# KiCad board panel.kicad_pcb
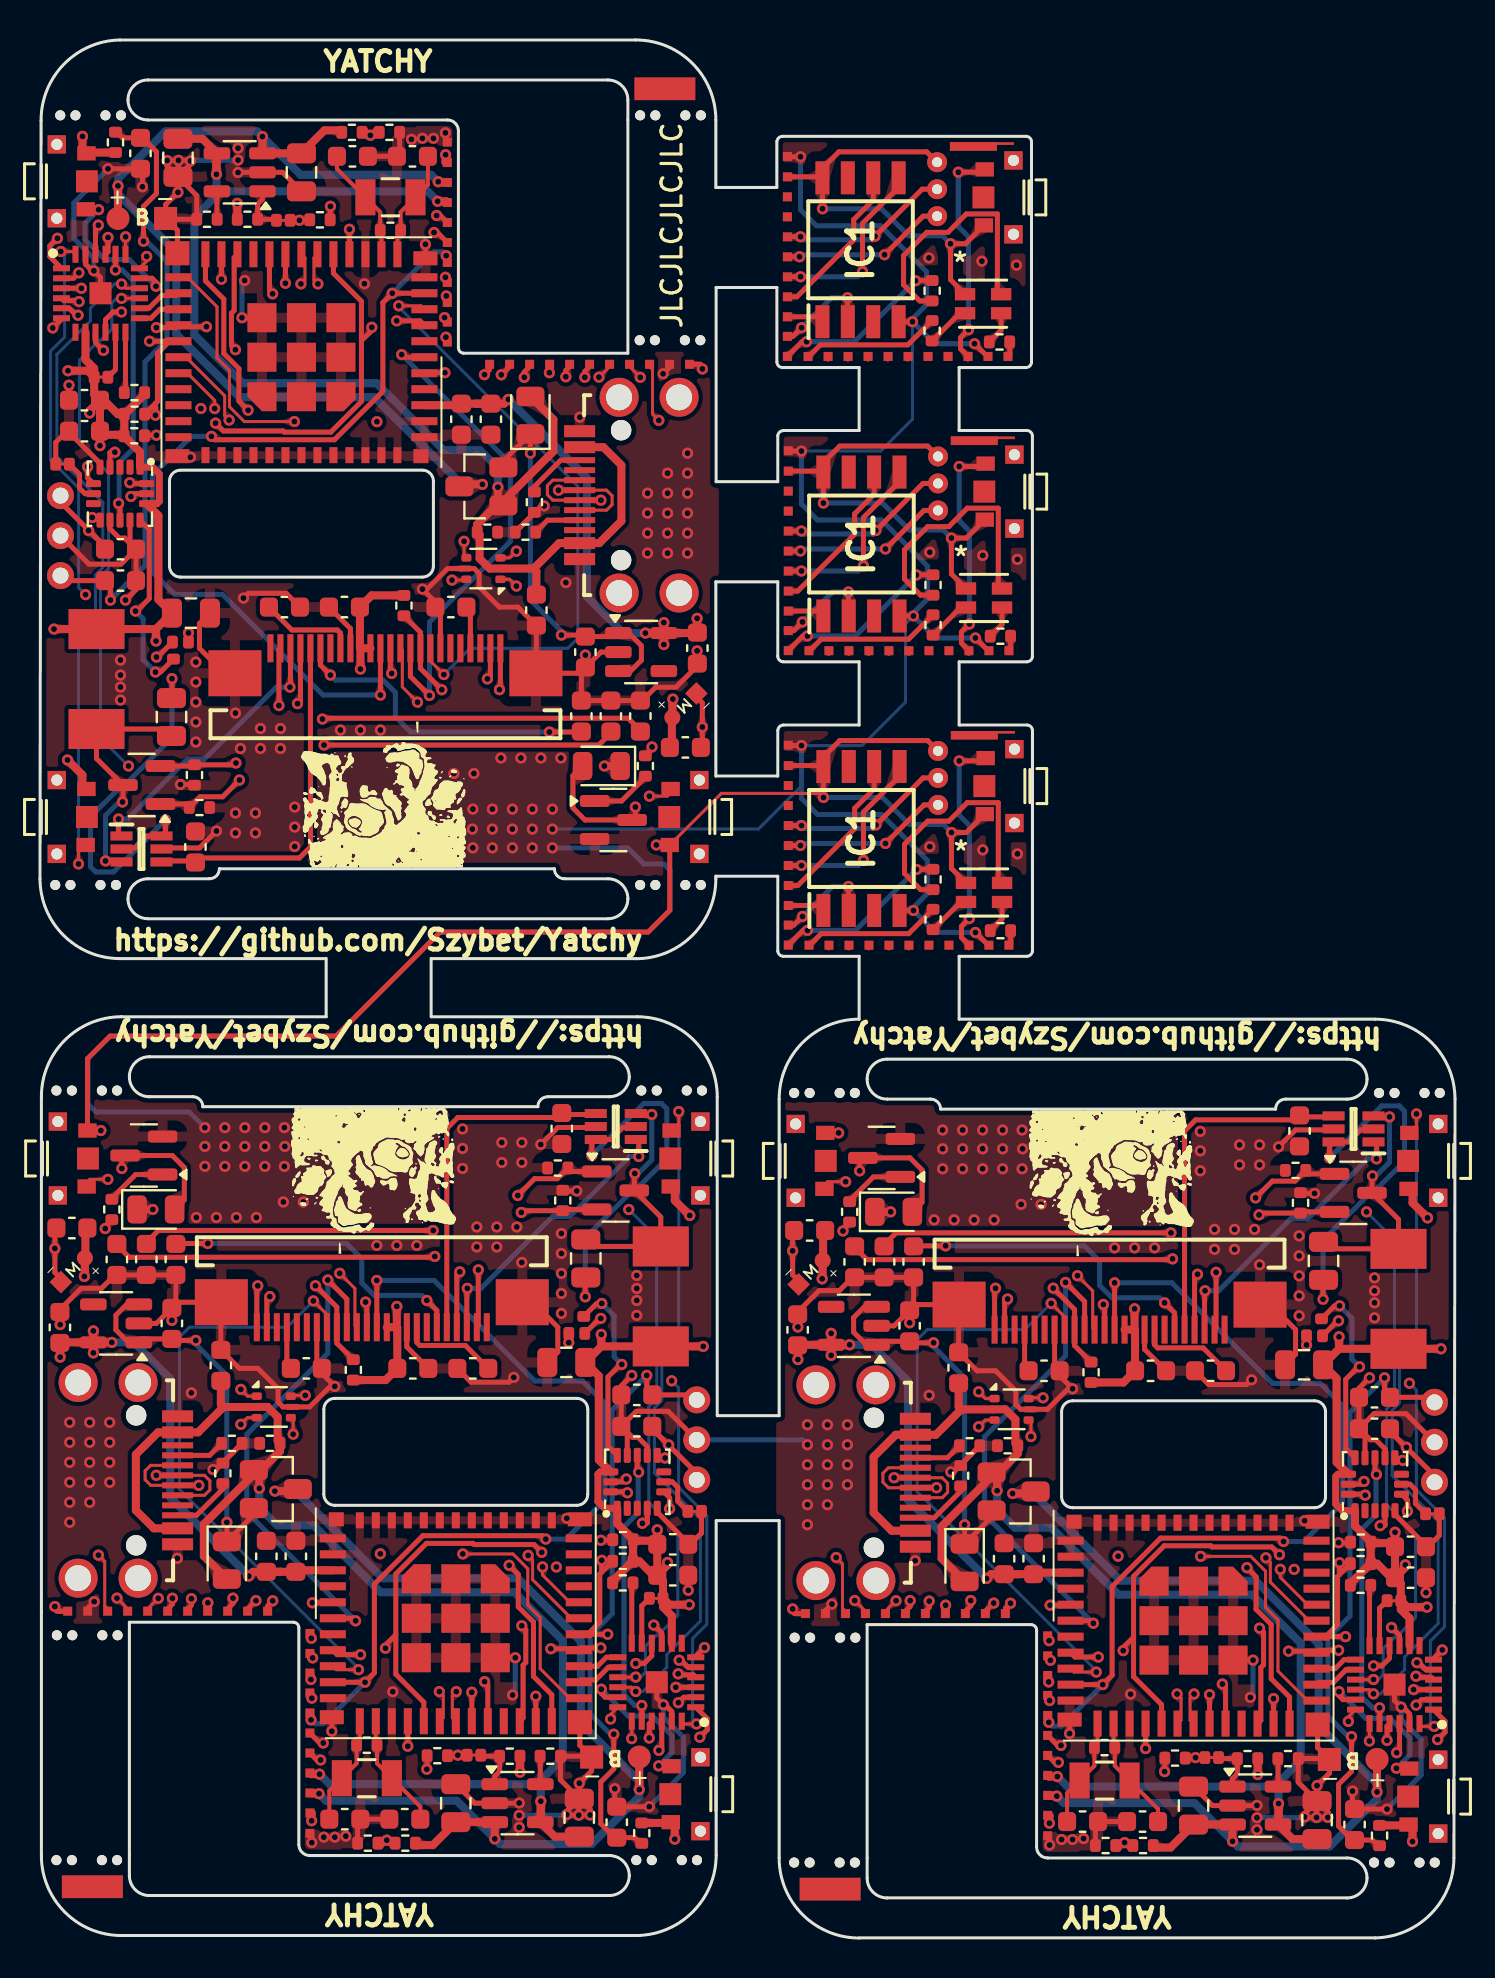
[diagram p0: board, top side]
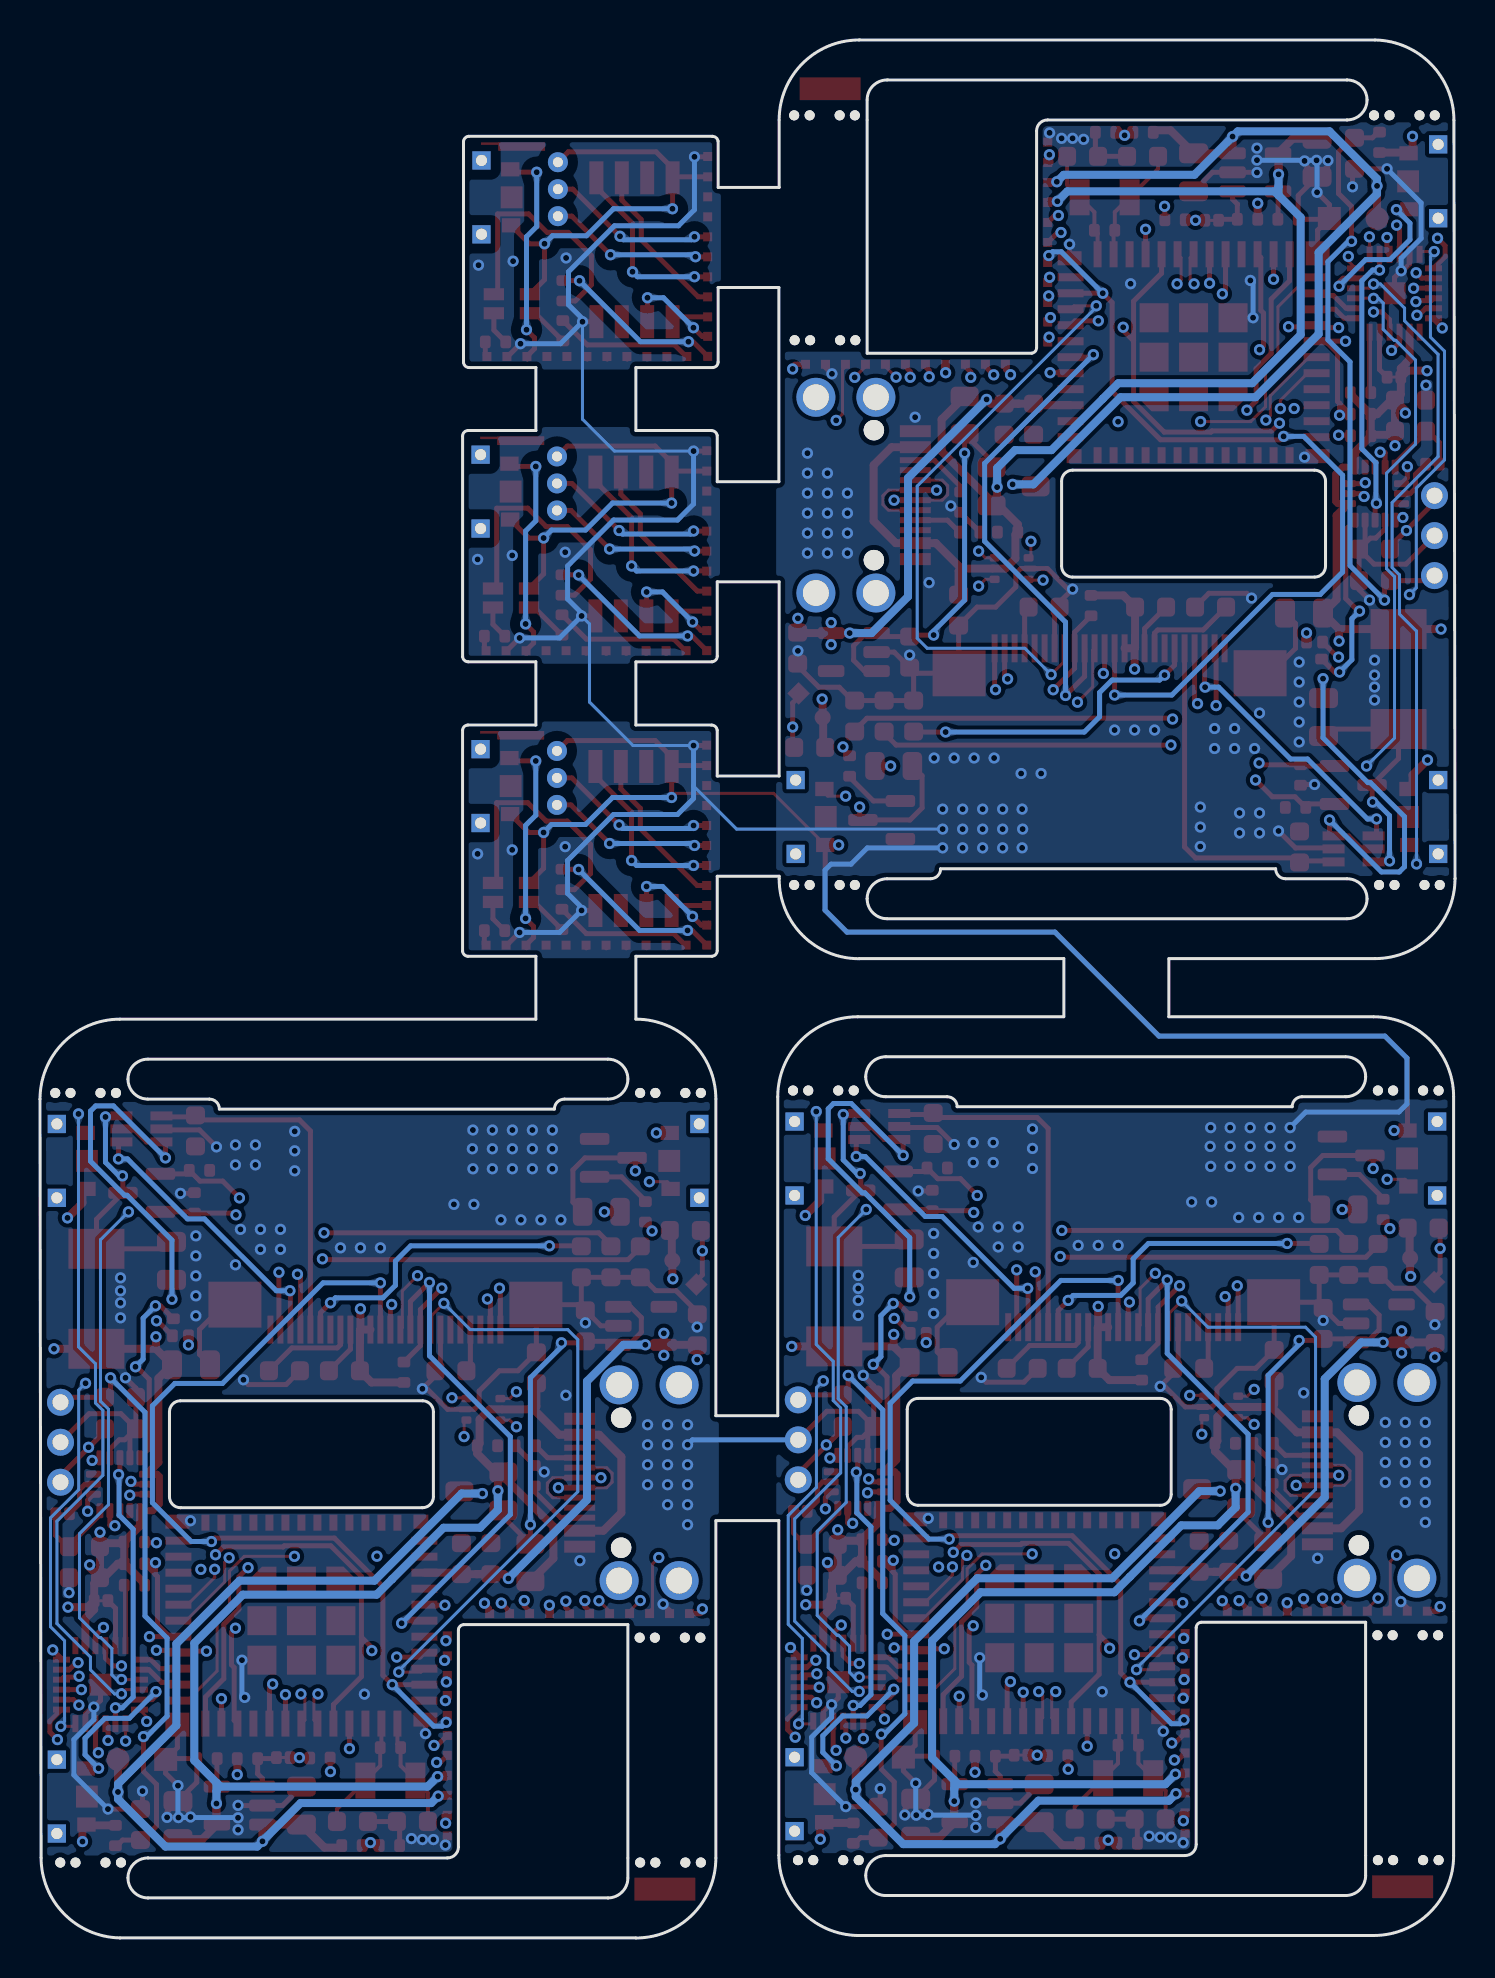
[diagram p1: board, bottom side, seen from below]

Outline 70.77 x 94.95 mm; copper layers: Top, In1.Cu, In2.Cu, Bottom. Coordinates in mm from the lower left corner of the outline.
Outline path: 4,49 arc(1.17,50.17) 0,53 0.05,90.94 arc(1.21,93.75) 4,94.95 29.8,94.95 arc(32.63,93.78) 33.8,90.95 33.8,87.57 36.85,87.57 36.85,89.88 ; 4.01,48.99 14.31,48.99 ; 14.32,46.09 4.07,46.09 arc(1.24,44.91) 0.07,42.09 0.07,4.13 arc(1.24,1.3) 4.07,0.13 29.87,0.13 arc(32.66,1.33) 33.82,4.14 33.82,20.88 36.97,20.88 36.97,4.01 arc(38.13,1.17) 40.97,0 ; 14.31,46.09 14.31,48.99 ; 19.56,46.09 19.56,48.99 ; 19.57,49 29.8,49 ; 19.57,46.09 29.87,46.09 arc(32.7,44.91) 33.87,42.08 33.87,26.13 ; 36.9,58.13 33.8,58.13 33.8,67.84 36.9,67.84 36.9,64.12 ; 29.8,48.99 arc(32.63,50.16) 33.8,52.99 33.8,53.12 36.9,53.12 36.9,49.39 ; 36.85,82.57 33.81,82.57 33.81,72.85 36.9,72.85 36.9,75.16 ; 33.87,26.13 36.97,26.13 36.97,41.97 arc(38.14,44.79) 40.97,45.97 40.96,49.11 37.15,49.11 ; 36.85,78.84 36.85,82.57 ; 36.86,89.88 arc(36.95,90.06) 37.13,90.13 ; 36.9,58.13 36.9,60.43 ; 36.9,75.16 arc(36.99,75.34) 37.18,75.41 ; 36.9,60.43 arc(36.99,60.6) 37.18,60.68 ; 37.1,78.56 40.96,78.56 ; 37.1,78.57 arc(36.93,78.66) 36.85,78.84 ; 37.14,90.13 49.33,90.13 ; 37.15,63.84 40.96,63.84 40.96,60.68 ; 37.15,63.85 arc(36.97,63.94) 36.9,64.12 ; 37.15,49.12 arc(36.97,49.2) 36.9,49.39 ; 37.18,75.41 40.96,75.41 40.96,78.56 ; 37.18,60.68 40.96,60.68 ; 40.97,0.01 66.77,0.01 arc(69.56,1.21) 70.71,4.02 70.77,41.96 arc(69.6,44.79) 66.77,45.97 45.97,45.97 45.97,49.11 49.35,49.11 ; 45.97,78.56 49.31,78.56 ; 45.97,78.56 45.97,75.41 49.37,75.41 ; 45.97,63.84 45.97,60.68 49.37,60.68 ; 45.97,63.84 49.35,63.84 ; 49.33,90.13 arc(49.51,90.04) 49.59,89.86 49.59,78.81 ; 49.38,75.41 arc(49.56,75.32) 49.63,75.14 49.63,64.09 ; 49.38,60.68 arc(49.56,60.59) 49.63,60.4 49.63,49.35 ; 49.58,78.81 arc(49.5,78.64) 49.31,78.56 ; 49.63,64.09 arc(49.54,63.92) 49.35,63.84 ; 49.63,49.36 arc(49.54,49.18) 49.36,49.11 ; 4.4,91.95 arc(4.69,92.66) 5.4,92.95 28.4,92.95 arc(29.11,92.66) 29.4,91.95 29.4,79.28 21.18,79.28 arc(21,79.37) 20.93,79.55 20.92,90.4 arc(20.76,90.79) 20.37,90.95 5.4,90.95 arc(4.69,91.24) 4.4,91.95 ; 4.4,51.99 arc(4.69,52.7) 5.4,52.99 8.47,52.99 arc(8.83,53.14) 8.97,53.49 25.72,53.49 arc(25.87,53.14) 26.22,52.99 28.4,52.99 arc(29.11,52.7) 29.4,51.99 arc(29.11,51.28) 28.4,50.99 5.4,50.99 arc(4.69,51.28) 4.4,51.99 ; 4.47,43.09 arc(4.76,43.79) 5.47,44.09 28.47,44.09 arc(29.18,43.79) 29.47,43.09 arc(29.18,42.38) 28.47,42.09 25.4,42.09 arc(25.04,41.94) 24.9,41.59 8.14,41.59 arc(8,41.94) 7.64,42.09 5.47,42.09 arc(4.76,42.38) 4.47,43.09 ; 4.47,15.8 12.69,15.8 arc(12.87,15.71) 12.94,15.52 12.94,4.68 arc(13.11,4.29) 13.49,4.13 28.47,4.13 arc(29.18,3.83) 29.47,3.13 arc(29.18,2.42) 28.47,2.13 5.47,2.13 arc(4.76,2.42) 4.47,3.13 4.47,15.8 ; 6.47,72.88 arc(6.64,73.27) 7.02,73.43 19.12,73.43 arc(19.51,73.27) 19.67,72.88 19.67,68.63 arc(19.51,68.24) 19.12,68.08 7.02,68.08 arc(6.64,68.24) 6.47,68.63 6.47,72.88 ; 14.19,26.45 arc(14.36,26.83) 14.74,27 26.84,27 arc(27.23,26.83) 27.39,26.45 27.39,22.2 arc(27.23,21.81) 26.84,21.65 14.74,21.65 arc(14.36,21.81) 14.19,22.2 14.19,26.45 ; 41.37,42.97 arc(41.66,43.67) 42.37,43.97 65.37,43.97 arc(66.07,43.67) 66.37,42.97 arc(66.07,42.26) 65.37,41.97 62.29,41.97 arc(61.94,41.82) 61.79,41.47 45.04,41.47 arc(44.89,41.82) 44.54,41.97 42.37,41.97 arc(41.66,42.26) 41.37,42.97 ; 41.37,15.68 49.59,15.68 arc(49.77,15.59) 49.84,15.4 49.84,4.56 arc(50,4.17) 50.39,4.01 65.37,4.01 arc(66.07,3.71) 66.37,3.01 arc(66.07,2.3) 65.37,2.01 42.37,2.01 arc(41.66,2.3) 41.37,3.01 41.37,15.68 ; 51.09,26.33 arc(51.25,26.71) 51.64,26.88 63.74,26.88 arc(64.13,26.71) 64.29,26.33 64.29,22.08 arc(64.13,21.69) 63.74,21.53 51.64,21.53 arc(51.25,21.69) 51.09,22.08 51.09,26.33
Stack: Top 0.035mm / dielectric 0.1mm FR4 er 4.5 / In1.Cu 0.035mm / dielectric 1.24mm FR4 er 4.5 / In2.Cu 0.035mm / dielectric 0.1mm FR4 er 4.5 / Bottom 0.035mm

## Placement (name value [footprint] x y rotation side)
AC1  LIS3DHTR  [LGA-16_3x3mm_P0.5mm_LayoutBorder3x5y_handsolder]  29.87 22.82 90 top
AC1#2  LIS3DHTR  [LGA-16_3x3mm_P0.5mm_LayoutBorder3x5y_handsolder]  4 72.25 270 top
AC1#3  LIS3DHTR  [LGA-16_3x3mm_P0.5mm_LayoutBorder3x5y_handsolder]  66.77 22.7 90 top
BT1  Battery_Cell  [Battery_Header]  65.82 9 180 top
BT1#2  Battery_Cell  [Battery_Header]  4.95 85.95 0 top
BT1#3  Battery_Cell  [Battery_Header]  28.92 9.12 180 top
C1  0.1uF  [C_0603_1608Metric]  66.74 25.48 180 top
C1#2  0.1uF  [C_0603_1608Metric]  4.02 69.48 0 top
C1#3  0.1uF  [C_0603_1608Metric]  29.84 25.6 180 top
C2  1uF/50V  [C_0603_1608Metric]  20.55 66.58 180 top
C2#2  1uF/50V  [C_0603_1608Metric]  50.22 28.38 0 top
C2#3  1uF/50V  [C_0603_1608Metric]  13.32 28.5 0 top
C3  4.7uF/50V  [C_0805_2012Metric]  27.29 34 90 top
C3#2  4.7uF/50V  [C_0805_2012Metric]  6.57 61.08 270 top
C3#3  4.7uF/50V  [C_0805_2012Metric]  64.19 33.88 90 top
C4  4.7uF/50V  [C_0805_2012Metric]  63.22 28.68 180 top
C4#2  4.7uF/50V  [C_0805_2012Metric]  7.55 66.28 0 top
C4#3  4.7uF/50V  [C_0805_2012Metric]  26.32 28.8 180 top
C5  1uF/50V  [C_0603_1608Metric]  7.77 54.58 90 top
C5#2  1uF/50V  [C_0603_1608Metric]  26.09 40.5 270 top
C5#3  1uF/50V  [C_0603_1608Metric]  62.99 40.38 270 top
C6  1uF/50V  [C_0603_1608Metric]  21.64 28.5 180 top
C6#2  1uF/50V  [C_0603_1608Metric]  12.22 66.58 0 top
C6#3  1uF/50V  [C_0603_1608Metric]  58.54 28.38 180 top
C7  1uF/50V  [C_0603_1608Metric]  55.54 28.38 180 top
C7#2  1uF/50V  [C_0603_1608Metric]  15.22 66.58 0 top
C7#3  1uF/50V  [C_0603_1608Metric]  18.64 28.5 180 top
C8  1uF/50V  [C_0603_1608Metric]  6.79 33.95 270 top
C8#2  1uF/50V  [C_0603_1608Metric]  27.07 61.13 90 top
C8#3  1uF/50V  [C_0603_1608Metric]  43.69 33.83 270 top
C9  1uF/50V  [C_0603_1608Metric]  28.55 61.13 90 top
C9#2  1uF/50V  [C_0603_1608Metric]  42.22 33.83 270 top
C9#3  1uF/50V  [C_0603_1608Metric]  5.32 33.95 270 top
C10  1uF/50V  [C_0603_1608Metric]  30.02 61.13 90 top
C10#2  1uF/50V  [C_0603_1608Metric]  40.74 33.83 270 top
C10#3  1uF/50V  [C_0603_1608Metric]  3.84 33.95 270 top
C12  1uF  [C_0603_1608Metric]  37.89 30.43 90 top
C12#2  1uF  [C_0603_1608Metric]  32.87 64.53 270 top
C12#3  1uF  [C_0603_1608Metric]  0.99 30.55 90 top
C13  1uF  [C_0603_1608Metric]  5.02 89.28 270 top
C13#2  1uF  [C_0603_1608Metric]  65.74 5.68 90 top
C13#3  1uF  [C_0603_1608Metric]  28.84 5.8 90 top
C14  0.1uF  [C_0603_1608Metric]  38.49 35.4 180 top
C14#2  0.1uF  [C_0603_1608Metric]  1.59 35.52 180 top
C14#3  0.1uF  [C_0603_1608Metric]  32.27 59.56 0 top
C18  0.1uF  [C_0603_1608Metric]  66.74 27.05 0 top
C18#2  0.1uF  [C_0603_1608Metric]  29.84 27.17 0 top
C18#3  0.1uF  [C_0603_1608Metric]  4.02 67.9 180 top
C19  19pF  [C_0603_1608Metric]  55.14 5.83 180 top
C19#2  19pF  [C_0603_1608Metric]  15.62 89.13 0 top
C19#3  19pF  [C_0603_1608Metric]  18.24 5.95 180 top
C20  19pF  [C_0603_1608Metric]  52.14 5.83 0 top
C20#2  19pF  [C_0603_1608Metric]  15.24 5.95 0 top
C20#3  19pF  [C_0603_1608Metric]  18.62 89.13 180 top
C21  0.1uF  [C_0603_1608Metric]  9.04 28.65 90 top
C21#2  0.1uF  [C_0603_1608Metric]  45.94 28.53 90 top
C21#3  0.1uF  [C_0603_1608Metric]  24.82 66.43 270 top
C22  1uF  [C_0603_1608Metric]  27.27 64.33 270 top
C22#2  1uF  [C_0603_1608Metric]  43.49 30.63 90 top
C22#3  1uF  [C_0603_1608Metric]  6.59 30.75 90 top
C23  0.1uF  [C_0603_1608Metric]  11.32 19.1 90 top
C23#2  0.1uF  [C_0603_1608Metric]  48.22 18.98 90 top
C23#3  0.1uF  [C_0603_1608Metric]  22.55 75.98 270 top
C24  10uF  [C_0603_1608Metric]  49.69 18.98 90 top
C24#2  10uF  [C_0603_1608Metric]  21.07 75.98 270 top
C24#3  10uF  [C_0603_1608Metric]  12.79 19.1 90 top
C25  4.7uF  [C_0805_2012Metric]  6.9 89.05 270 top
C25#2  4.7uF  [C_0805_2012Metric]  26.97 6.02 90 top
C25#3  4.7uF  [C_0805_2012Metric]  63.87 5.9 90 top
C26  4.7uF  [C_0805_2012Metric]  20.79 6.75 270 top
C26#2  4.7uF  [C_0805_2012Metric]  57.69 6.63 270 top
C26#3  4.7uF  [C_0805_2012Metric]  13.07 88.33 90 top
C29  0.1uF  [C_0603_1608Metric]  2.22 76.93 0 top
C29#2  0.1uF  [C_0603_1608Metric]  31.64 18.15 180 top
C29#3  0.1uF  [C_0603_1608Metric]  68.54 18.03 180 top
C30  10uF  [C_0603_1608Metric]  68.54 19.58 180 top
C30#2  10uF  [C_0603_1608Metric]  31.64 19.7 180 top
C30#3  10uF  [C_0603_1608Metric]  2.22 75.38 0 top
D4  SD0805S040S0R5  [D_0805_2012Metric]  9.34 18.9 270 top
D4#2  SD0805S040S0R5  [D_0805_2012Metric]  46.24 18.78 270 top
D4#3  SD0805S040S0R5  [D_0805_2012Metric]  24.52 76.18 90 top
D5  BAT54TW-7-F  [SOT65P222X110-6N]  65.69 40.48 180 top
D5#2  BAT54TW-7-F  [SOT65P222X110-6N]  28.79 40.6 180 top
D5#3  BAT54TW-7-F  [SOT65P222X110-6N]  5.07 54.48 0 top
D6  SD0805S040S0R5  [D_0805_2012Metric]  28.07 58.63 180 top
D6#2  SD0805S040S0R5  [D_0805_2012Metric]  42.69 36.33 0 top
D6#3  SD0805S040S0R5  [D_0805_2012Metric]  5.79 36.45 0 top
IC1  MX25R6435FM2IH0  [SOIC127P790X216-8N]  41.04 84.46 90 top
IC1#2  MX25R6435FM2IH0  [SOIC127P790X216-8N]  41.08 55 90 top
IC1#3  MX25R6435FM2IH0  [SOIC127P790X216-8N]  41.08 69.74 90 top
IC2  MCP23018-E_MJ  [QFN50P400X400X90-25N-D]  3.02 82.28 0 top
IC2#2  MCP23018-E_MJ  [QFN50P400X400X90-25N-D]  67.74 12.68 180 top
IC2#3  MCP23018-E_MJ  [QFN50P400X400X90-25N-D]  30.84 12.8 180 top
IC3  MCP73831T-2ATI_OT  [SOT-23-5]  60.78 6.63 0 top
IC3#2  MCP73831T-2ATI_OT  [SOT-23-5]  9.99 88.33 180 top
IC3#3  MCP73831T-2ATI_OT  [SOT-23-5]  23.88 6.75 0 top
J1  MOD_CONN  [mod_Connector]  20.37 89.83 180 top
J1#2  MOD_CONN  [mod_Connector]  37.42 74.39 180 top
J1#3  MOD_CONN  [mod_Connector]  37.38 89.11 180 top
J1#4  MOD_CONN  [mod_Connector]  13.5 5.25 0 top
J1#5  MOD_CONN  [mod_Connector]  50.4 5.13 0 top
J1#6  MOD_CONN  [mod_Connector]  37.42 59.66 180 top
J2  MOD_CONN  [mod_Connector]  31.47 78.72 90 top
J2#2  MOD_CONN  [mod_Connector]  47.45 64.4 90 top
J2#3  MOD_CONN  [mod_Connector]  39.29 16.23 270 top
J2#4  MOD_CONN  [mod_Connector]  2.39 16.35 270 top
J2#5  MOD_CONN  [mod_Connector]  47.4 79.12 90 top
J2#6  MOD_CONN  [mod_Connector]  47.45 49.67 90 top
J4  USB4730-GF-A-KIT  [USB4730GFAKIT]  2.84 22.9 270 top
J4#2  USB4730-GF-A-KIT  [USB4730GFAKIT]  39.74 22.78 270 top
J4#3  USB4730-GF-A-KIT  [USB4730GFAKIT]  31.02 72.18 90 top
J5  SFV24R-4STBE1HLF  [SFV24R4STBE1HLF]  16.59 32.81 180 top
J5#2  SFV24R-4STBE1HLF  [SFV24R4STBE1HLF]  17.27 62.27 0 top
J5#3  SFV24R-4STBE1HLF  [SFV24R4STBE1HLF]  53.49 32.69 180 top
J6  MOD_CONN  [mod_Connector]  37.42 72.39 0 top
J6#2  MOD_CONN  [mod_Connector]  50.4 7.13 180 top
J6#3  MOD_CONN  [mod_Connector]  37.42 57.66 0 top
J6#4  MOD_CONN  [mod_Connector]  20.37 87.83 0 top
J6#5  MOD_CONN  [mod_Connector]  37.38 87.11 0 top
J6#6  MOD_CONN  [mod_Connector]  13.5 7.25 180 top
J7  MOD_CONN  [mod_Connector]  37.38 88.11 0 top
J7#2  MOD_CONN  [mod_Connector]  37.42 58.66 0 top
J7#3  MOD_CONN  [mod_Connector]  20.37 88.83 0 top
J7#4  MOD_CONN  [mod_Connector]  50.4 6.13 180 top
J7#5  MOD_CONN  [mod_Connector]  37.42 73.39 0 top
J7#6  MOD_CONN  [mod_Connector]  13.5 6.25 180 top
J8  MOD_CONN  [mod_Connector]  37.38 86.11 0 top
J8#2  MOD_CONN  [mod_Connector]  37.42 71.39 0 top
J8#3  MOD_CONN  [mod_Connector]  13.5 8.25 180 top
J8#4  MOD_CONN  [mod_Connector]  37.42 56.66 0 top
J8#5  MOD_CONN  [mod_Connector]  20.37 86.83 0 top
J8#6  MOD_CONN  [mod_Connector]  50.4 8.13 180 top
J9  MOD_CONN  [mod_Connector]  20.37 85.83 0 top
J9#2  MOD_CONN  [mod_Connector]  50.4 9.13 180 top
J9#3  MOD_CONN  [mod_Connector]  37.38 85.11 0 top
J9#4  MOD_CONN  [mod_Connector]  37.42 70.39 0 top
J9#5  MOD_CONN  [mod_Connector]  37.42 55.66 0 top
J9#6  MOD_CONN  [mod_Connector]  13.5 9.25 180 top
J10  MOD_CONN  [mod_Connector]  50.4 10.13 180 top
J10#2  MOD_CONN  [mod_Connector]  37.42 69.39 0 top
J10#3  MOD_CONN  [mod_Connector]  13.5 10.25 180 top
J10#4  MOD_CONN  [mod_Connector]  20.37 84.83 0 top
J10#5  MOD_CONN  [mod_Connector]  37.42 54.66 0 top
J10#6  MOD_CONN  [mod_Connector]  37.38 84.11 0 top
J11  MOD_CONN  [mod_Connector]  37.42 66.39 0 top
J11#2  MOD_CONN  [mod_Connector]  20.37 81.83 0 top
J11#3  MOD_CONN  [mod_Connector]  13.5 13.25 180 top
J11#4  MOD_CONN  [mod_Connector]  37.38 81.11 0 top
J11#5  MOD_CONN  [mod_Connector]  50.4 13.13 180 top
J11#6  MOD_CONN  [mod_Connector]  37.42 51.66 0 top
J12  MOD_CONN  [mod_Connector]  37.42 67.39 0 top
J12#2  MOD_CONN  [mod_Connector]  13.5 12.25 180 top
J12#3  MOD_CONN  [mod_Connector]  50.4 12.13 180 top
J12#4  MOD_CONN  [mod_Connector]  37.42 52.66 0 top
J12#5  MOD_CONN  [mod_Connector]  37.38 82.11 0 top
J12#6  MOD_CONN  [mod_Connector]  20.37 82.83 0 top
J13  MOD_CONN  [mod_Connector]  37.38 83.11 0 top
J13#2  MOD_CONN  [mod_Connector]  20.37 83.83 0 top
J13#3  MOD_CONN  [mod_Connector]  50.4 11.13 180 top
J13#4  MOD_CONN  [mod_Connector]  37.42 68.39 0 top
J13#5  MOD_CONN  [mod_Connector]  13.5 11.25 180 top
J13#6  MOD_CONN  [mod_Connector]  37.42 53.66 0 top
J14  MOD_CONN  [mod_Connector]  13.5 14.25 0 top
J14#2  MOD_CONN  [mod_Connector]  50.4 14.13 0 top
J14#3  MOD_CONN  [mod_Connector]  37.38 80.11 180 top
J14#4  MOD_CONN  [mod_Connector]  37.42 50.66 180 top
J14#5  MOD_CONN  [mod_Connector]  37.42 65.39 180 top
J14#6  MOD_CONN  [mod_Connector]  20.37 80.83 180 top
J15  MOD_CONN  [mod_Connector]  43.45 49.67 90 top
J15#2  MOD_CONN  [mod_Connector]  43.29 16.23 270 top
J15#3  MOD_CONN  [mod_Connector]  6.39 16.35 270 top
J15#4  MOD_CONN  [mod_Connector]  27.47 78.72 90 top
J15#5  MOD_CONN  [mod_Connector]  43.4 79.12 90 top
J15#6  MOD_CONN  [mod_Connector]  43.45 64.4 90 top
J16  MOD_CONN  [mod_Connector]  41.4 79.12 90 top
J16#2  MOD_CONN  [mod_Connector]  45.29 16.23 270 top
J16#3  MOD_CONN  [mod_Connector]  25.47 78.72 90 top
J16#4  MOD_CONN  [mod_Connector]  41.45 49.67 90 top
J16#5  MOD_CONN  [mod_Connector]  41.45 64.4 90 top
J16#6  MOD_CONN  [mod_Connector]  8.39 16.35 270 top
J17  MOD_CONN  [mod_Connector]  42.4 79.12 90 top
J17#2  MOD_CONN  [mod_Connector]  42.45 64.4 90 top
J17#3  MOD_CONN  [mod_Connector]  44.29 16.23 270 top
J17#4  MOD_CONN  [mod_Connector]  7.39 16.35 270 top
J17#5  MOD_CONN  [mod_Connector]  26.47 78.72 90 top
J17#6  MOD_CONN  [mod_Connector]  42.45 49.67 90 top
J18  MOD_CONN  [mod_Connector]  5.39 16.35 270 top
J18#2  MOD_CONN  [mod_Connector]  44.4 79.12 90 top
J18#3  MOD_CONN  [mod_Connector]  28.47 78.72 90 top
J18#4  MOD_CONN  [mod_Connector]  44.45 64.4 90 top
J18#5  MOD_CONN  [mod_Connector]  44.45 49.67 90 top
J18#6  MOD_CONN  [mod_Connector]  42.29 16.23 270 top
J19  MOD_CONN  [mod_Connector]  45.45 64.4 90 top
J19#2  MOD_CONN  [mod_Connector]  29.47 78.72 90 top
J19#3  MOD_CONN  [mod_Connector]  4.39 16.35 270 top
J19#4  MOD_CONN  [mod_Connector]  41.29 16.23 270 top
J19#5  MOD_CONN  [mod_Connector]  45.4 79.12 90 top
J19#6  MOD_CONN  [mod_Connector]  45.45 49.67 90 top
J20  MOD_CONN  [mod_Connector]  37.38 79.11 180 top
J20#2  MOD_CONN  [mod_Connector]  37.42 64.39 180 top
J20#3  MOD_CONN  [mod_Connector]  37.42 49.66 180 top
J20#4  MOD_CONN  [mod_Connector]  20.37 79.83 180 top
J20#5  MOD_CONN  [mod_Connector]  13.5 15.25 0 top
J20#6  MOD_CONN  [mod_Connector]  50.4 15.13 0 top
J21  MOD_CONN  [mod_Connector]  48.42 79.12 270 top
J21#2  MOD_CONN  [mod_Connector]  1.37 16.35 90 top
J21#3  MOD_CONN  [mod_Connector]  32.49 78.72 270 top
J21#4  MOD_CONN  [mod_Connector]  48.47 64.4 270 top
J21#5  MOD_CONN  [mod_Connector]  48.47 49.67 270 top
J21#6  MOD_CONN  [mod_Connector]  38.27 16.23 90 top
J22  MOD_CONN  [mod_Connector]  38.4 79.12 90 top
J22#2  MOD_CONN  [mod_Connector]  11.39 16.35 270 top
J22#3  MOD_CONN  [mod_Connector]  38.45 49.67 90 top
J22#4  MOD_CONN  [mod_Connector]  38.45 64.4 90 top
J22#5  MOD_CONN  [mod_Connector]  22.47 78.72 90 top
J22#6  MOD_CONN  [mod_Connector]  48.29 16.23 270 top
J23  MOD_CONN  [mod_Connector]  10.39 16.35 270 top
J23#2  MOD_CONN  [mod_Connector]  39.45 49.67 90 top
J23#3  MOD_CONN  [mod_Connector]  23.47 78.72 90 top
J23#4  MOD_CONN  [mod_Connector]  39.4 79.12 90 top
J23#5  MOD_CONN  [mod_Connector]  47.29 16.23 270 top
J23#6  MOD_CONN  [mod_Connector]  39.45 64.4 90 top
J24  MOD_CONN  [mod_Connector]  24.47 78.72 90 top
J24#2  MOD_CONN  [mod_Connector]  40.45 49.67 90 top
J24#3  MOD_CONN  [mod_Connector]  40.45 64.4 90 top
J24#4  MOD_CONN  [mod_Connector]  46.29 16.23 270 top
J24#5  MOD_CONN  [mod_Connector]  40.4 79.12 90 top
J24#6  MOD_CONN  [mod_Connector]  9.39 16.35 270 top
J25  MOD_CONN  [mod_Connector]  46.45 49.67 90 top
J25#2  MOD_CONN  [mod_Connector]  30.47 78.72 90 top
J25#3  MOD_CONN  [mod_Connector]  46.4 79.12 90 top
J25#4  MOD_CONN  [mod_Connector]  3.39 16.35 270 top
J25#5  MOD_CONN  [mod_Connector]  40.29 16.23 270 top
J25#6  MOD_CONN  [mod_Connector]  46.45 64.4 90 top
J26  Conn_01x03_Pin  [PinHeader_1x03_P2.00mm_Horizontal_Small]  32.84 26.92 0 top
J26#2  Conn_01x03_Pin  [PinHeader_1x03_P2.00mm_Horizontal_Small]  1.02 68.15 180 top
J26#3  Conn_01x03_Pin  [PinHeader_1x03_P2.00mm_Horizontal_Small]  69.74 26.8 0 top
JP2  SolderJumper_2_Bridged  [SolderJumper_Bridged_Small]  58.41 9.03 180 top
JP2#2  SolderJumper_2_Bridged  [SolderJumper_Bridged_Small]  21.51 9.15 180 top
JP2#3  SolderJumper_2_Bridged  [SolderJumper_Bridged_Small]  12.36 85.93 0 top
JP3  SolderJumper_2_Bridged  [SolderJumper_Bridged_Small]  31.01 17 0 top
JP3#2  SolderJumper_2_Bridged  [SolderJumper_Bridged_Small]  2.86 78.08 180 top
JP3#3  SolderJumper_2_Bridged  [SolderJumper_Bridged_Small]  67.91 16.88 0 top
JP4  SolderJumper_2_Bridged  [SolderJumper_Bridged_Small]  32.93 21.35 0 top
JP4#2  SolderJumper_2_Bridged  [SolderJumper_Bridged_Small]  0.93 73.73 180 top
JP4#3  SolderJumper_2_Bridged  [SolderJumper_Bridged_Small]  69.83 21.23 0 top
L1  10uH 1A  [HPI0530-100]  68.19 31.98 90 top
L1#2  10uH 1A  [HPI0530-100]  31.29 32.1 90 top
L1#3  10uH 1A  [HPI0530-100]  2.57 62.98 270 top
LED1  CLMVC-FKA-CL1D1L71BB7C3C3  [CLMVC-FKA-CL1D1L71BB7C3C3_CRE]  47.21 67.04 0 top
LED1#2  CLMVC-FKA-CL1D1L71BB7C3C3  [CLMVC-FKA-CL1D1L71BB7C3C3_CRE]  47.21 52.3 0 top
LED1#3  CLMVC-FKA-CL1D1L71BB7C3C3  [CLMVC-FKA-CL1D1L71BB7C3C3_CRE]  47.17 81.76 0 top
M1  Vibration_Motor  [Motor_Header]  2.25 34.02 315 top
M1#2  Vibration_Motor  [Motor_Header]  31.62 61.06 135 top
M1#3  Vibration_Motor  [Motor_Header]  39.14 33.9 315 top
Q1  AO3400A  [SOT-23]  28.78 37.4 0 top
Q1#2  AO3400A  [SOT-23]  5.09 57.68 180 top
Q1#3  AO3400A  [SOT-23]  65.68 37.28 0 top
Q4  FDN304PZ  [SuperSOT-3]  11.79 22.46 0 top
Q4#2  FDN304PZ  [SuperSOT-3]  22.07 72.62 180 top
Q4#3  FDN304PZ  [SuperSOT-3]  48.69 22.34 0 top
Q5  S8050  [SOT-23]  28.67 55.93 0 top
Q5#2  S8050  [SOT-23]  5.19 39.15 180 top
Q5#3  S8050  [SOT-23]  42.09 39.03 180 top
R1  330  [R_0402_1005Metric]  44.62 80.41 90 top
R1#2  4.7K  [R_0402_1005Metric]  4.72 76.23 0 top
R1#3  4.7K  [R_0402_1005Metric]  66.04 18.73 180 top
R1#4  330  [R_0402_1005Metric]  44.66 50.95 90 top
R1#5  4.7K  [R_0402_1005Metric]  29.14 18.85 180 top
R1#6  330  [R_0402_1005Metric]  44.66 65.69 90 top
R2  330  [R_0402_1005Metric]  47.99 79.85 0 top
R2#2  4.7K  [R_0402_1005Metric]  29.15 19.93 180 top
R2#3  4.7K  [R_0402_1005Metric]  4.71 75.15 0 top
R2#4  4.7K  [R_0402_1005Metric]  66.05 19.81 180 top
R2#5  330  [R_0402_1005Metric]  48.03 50.39 0 top
R2#6  330  [R_0402_1005Metric]  48.03 65.13 0 top
R3  330  [R_0402_1005Metric]  44.66 52.95 90 top
R3#2  330  [R_0402_1005Metric]  44.62 82.41 90 top
R3#3  330  [R_0402_1005Metric]  44.66 67.69 90 top
R4  5.1k  [R_0402_1005Metric]  9.14 23.25 90 top
R4#2  5.1k  [R_0402_1005Metric]  46.04 23.13 90 top
R4#3  5.1k  [R_0402_1005Metric]  24.72 71.83 270 top
R5  5.1k  [R_0402_1005Metric]  9.59 24.75 0 top
R5#2  5.1k  [R_0402_1005Metric]  24.27 70.33 180 top
R5#3  5.1k  [R_0402_1005Metric]  46.49 24.63 0 top
R6  5.1k  [R_0402_1005Metric]  56.77 9 180 top
R6#2  5.1k  [R_0402_1005Metric]  14 85.95 0 top
R6#3  5.1k  [R_0402_1005Metric]  19.87 9.12 180 top
R7  10K  [R_0402_1005Metric]  30.09 5.25 270 top
R7#2  10K  [R_0402_1005Metric]  66.99 5.13 270 top
R7#3  10K  [R_0402_1005Metric]  3.77 89.83 90 top
R8  10K  [R_0402_1005Metric]  7.97 56.55 0 top
R8#2  10K  [R_0402_1005Metric]  62.79 38.4 180 top
R8#3  10K  [R_0402_1005Metric]  25.89 38.52 180 top
R9  3  [R_0402_1005Metric]  7.72 58.18 90 top
R9#2  3  [R_0402_1005Metric]  26.14 36.9 270 top
R9#3  3  [R_0402_1005Metric]  63.04 36.78 270 top
R11  300k  [R_0402_1005Metric]  18.27 4.75 180 top
R11#2  300k  [R_0402_1005Metric]  15.6 90.33 0 top
R11#3  300k  [R_0402_1005Metric]  55.17 4.63 180 top
R12  10K  [R_0402_1005Metric]  4.72 77.31 180 top
R12#2  10K  [R_0402_1005Metric]  29.14 17.77 0 top
R12#3  10K  [R_0402_1005Metric]  66.04 17.65 0 top
R14  10K  [R_0402_1005Metric]  11.49 24.75 180 top
R14#2  10K  [R_0402_1005Metric]  48.39 24.63 180 top
R14#3  10K  [R_0402_1005Metric]  22.37 70.33 0 top
R15  5.1k  [R_0402_1005Metric]  8.35 85.98 0 top
R15#2  5.1k  [R_0402_1005Metric]  25.52 9.1 180 top
R15#3  5.1k  [R_0402_1005Metric]  62.42 8.98 180 top
R16  800k  [R_0402_1005Metric]  23.49 9.1 180 top
R16#2  800k  [R_0402_1005Metric]  60.39 8.98 180 top
R16#3  800k  [R_0402_1005Metric]  10.37 85.98 0 top
R17  1K  [R_0402_1005Metric]  40.49 36.33 270 top
R17#2  1K  [R_0402_1005Metric]  3.59 36.45 270 top
R17#3  1K  [R_0402_1005Metric]  30.27 58.63 90 top
R18  800k  [R_0402_1005Metric]  17.47 90.33 0 top
R18#2  800k  [R_0402_1005Metric]  53.29 4.63 180 top
R18#3  800k  [R_0402_1005Metric]  16.39 4.75 180 top
R20  100K  [R_0402_1005Metric]  15.67 28.42 90 top
R20#2  100K  [R_0402_1005Metric]  52.57 28.3 90 top
R20#3  100K  [R_0402_1005Metric]  18.2 66.65 270 top
R21  10M  [R_0402_1005Metric]  17.52 85.43 0 top
R21#2  10M  [R_0402_1005Metric]  53.24 9.53 180 top
R21#3  10M  [R_0402_1005Metric]  16.34 9.65 180 top
SW1  EVP-AKE31A  [SW_EVP-AKE31A_PAN]  38.17 38.88 90 top
SW1#2  EVP-AKE31A  [SW_EVP-AKE31A_PAN]  48.35 72.36 270 top
SW1#3  EVP-AKE31A  [SW_EVP-AKE31A_PAN]  48.3 87.08 270 top
SW1#4  EVP-AKE31A  [SW_EVP-AKE31A_PAN]  32.59 56.08 270 top
SW1#5  EVP-AKE31A  [SW_EVP-AKE31A_PAN]  1.28 39 90 top
SW1#6  EVP-AKE31A  [SW_EVP-AKE31A_PAN]  48.35 57.63 270 top
SW2  EVP-AKE31A  [SW_EVP-AKE31A_PAN]  1.22 56.08 90 top
SW2#2  EVP-AKE31A  [SW_EVP-AKE31A_PAN]  69.54 38.88 270 top
SW2#3  EVP-AKE31A  [SW_EVP-AKE31A_PAN]  32.65 39 270 top
SW3  EVP-AKE31A  [SW_EVP-AKE31A_PAN]  32.65 7.2 270 top
SW3#2  EVP-AKE31A  [SW_EVP-AKE31A_PAN]  69.54 7.08 270 top
SW3#3  EVP-AKE31A  [SW_EVP-AKE31A_PAN]  1.22 87.88 90 top
TP1  TestPoint  [TestPoint_THTPad_D1.0mm_Drill0.5mm]  44.87 88.84 0 top
TP1#2  TestPoint  [testpoint]  63.34 30.13 180 top
TP1#3  TestPoint  [testpoint]  26.44 30.25 180 top
TP1#4  TestPoint  [testpoint]  7.42 64.83 0 top
TP1#5  TestPoint  [TestPoint_THTPad_D1.0mm_Drill0.5mm]  44.91 74.12 0 top
TP1#6  TestPoint  [TestPoint_THTPad_D1.0mm_Drill0.5mm]  44.91 59.38 0 top
TP2  TestPoint  [TestPoint_THTPad_D1.0mm_Drill0.5mm]  44.91 58.03 0 top
TP2#2  TestPoint  [testpoint]  6.62 64.83 0 top
TP2#3  TestPoint  [testpoint]  64.14 30.13 180 top
TP2#4  TestPoint  [TestPoint_THTPad_D1.0mm_Drill0.5mm]  44.87 87.49 0 top
TP2#5  TestPoint  [testpoint]  27.24 30.25 180 top
TP2#6  TestPoint  [TestPoint_THTPad_D1.0mm_Drill0.5mm]  44.91 72.77 0 top
TP3  TestPoint  [TestPoint_THTPad_D1.0mm_Drill0.5mm]  44.91 56.68 0 top
TP3#2  TestPoint  [testpoint]  27.19 31.1 270 top
TP3#3  TestPoint  [testpoint]  6.67 63.98 90 top
TP3#4  TestPoint  [TestPoint_THTPad_D1.0mm_Drill0.5mm]  44.91 71.42 0 top
TP3#5  TestPoint  [testpoint]  64.09 30.98 270 top
TP3#6  TestPoint  [TestPoint_THTPad_D1.0mm_Drill0.5mm]  44.87 86.14 0 top
U1  USBLC6-2P6  [SOT-666]  11.69 26.57 0 top
U1#2  USBLC6-2P6  [SOT-666]  22.17 68.51 180 top
U1#3  USBLC6-2P6  [SOT-666]  48.59 26.45 0 top
U2  TLV75533PDBV  [SOT-23-5]  40.7 30.63 180 top
U2#2  TLV75533PDBV  [SOT-23-5]  30.06 64.33 0 top
U2#3  TLV75533PDBV  [SOT-23-5]  3.81 30.75 180 top
U3  ESP32-C6-MINI-1-N4  [XCVR_ESP32-C6-MINI-1-N4]  57.69 15.88 0 top
U3#2  ESP32-C6-MINI-1-N4  [XCVR_ESP32-C6-MINI-1-N4]  20.79 16 0 top
U3#3  ESP32-C6-MINI-1-N4  [XCVR_ESP32-C6-MINI-1-N4]  13.07 79.08 180 top
U4  ~  [mouse-bite-3mm-slot]  2.34 3.9 180 top
U4#2  ~  [mouse-bite-3mm-slot]  31.52 91.18 0 top
U4#3  ~  [mouse-bite-3mm-slot]  39.24 3.78 180 top
U5  ~  [mouse-bite-3mm-slot]  68.49 42.28 180 top
U5#2  ~  [mouse-bite-3mm-slot]  2.27 52.68 0 top
U5#3  ~  [mouse-bite-3mm-slot]  31.59 42.4 180 top
U6  ~  [mouse-bite-3mm-slot]  2.34 42.4 180 top
U6#2  ~  [mouse-bite-3mm-slot]  31.52 52.68 0 top
U6#3  ~  [mouse-bite-3mm-slot]  39.24 42.28 180 top
U7  ~  [mouse-bite-3mm-slot]  39.26 15.03 180 top
U7#2  ~  [mouse-bite-3mm-slot]  31.5 79.93 0 top
U7#3  ~  [mouse-bite-3mm-slot]  2.37 15.15 180 top
U8  ~  [mouse-bite-3mm-slot]  68.24 3.78 180 top
U8#2  ~  [mouse-bite-3mm-slot]  31.34 3.9 180 top
U8#3  ~  [mouse-bite-3mm-slot]  2.52 91.18 0 top
Y2  32.768KHz  [XTAL_9HT10_TXC]  17.52 87.08 0 top
Y2#2  32.768KHz  [XTAL_9HT10_TXC]  53.24 7.88 180 top
Y2#3  32.768KHz  [XTAL_9HT10_TXC]  16.34 8 180 top
